# KiCad board granola-summit-abc.kicad_pcb
title: Granola Summit PCB; rev: 2.0; company: Granola Arcade
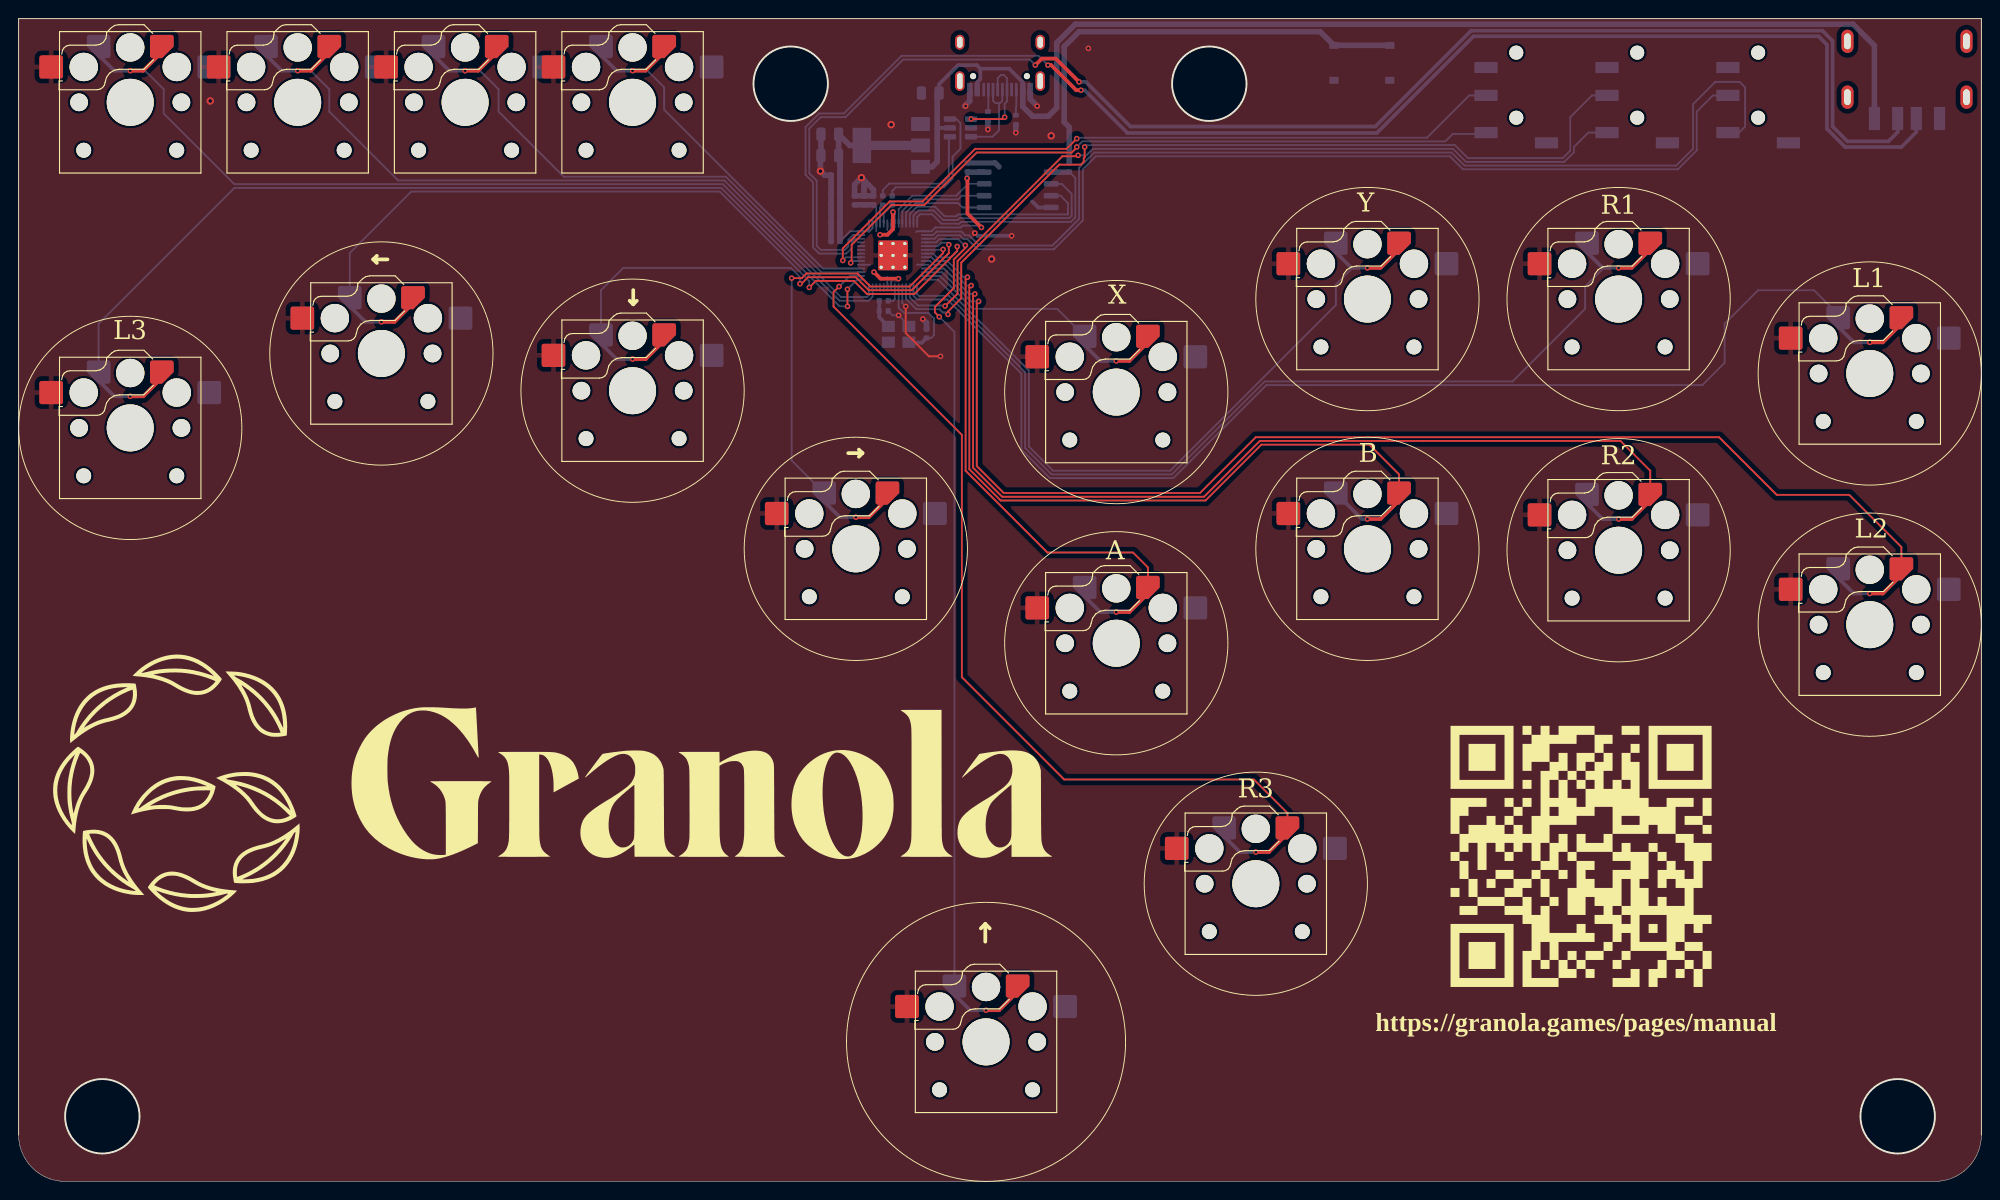
[diagram p0: board, top side]
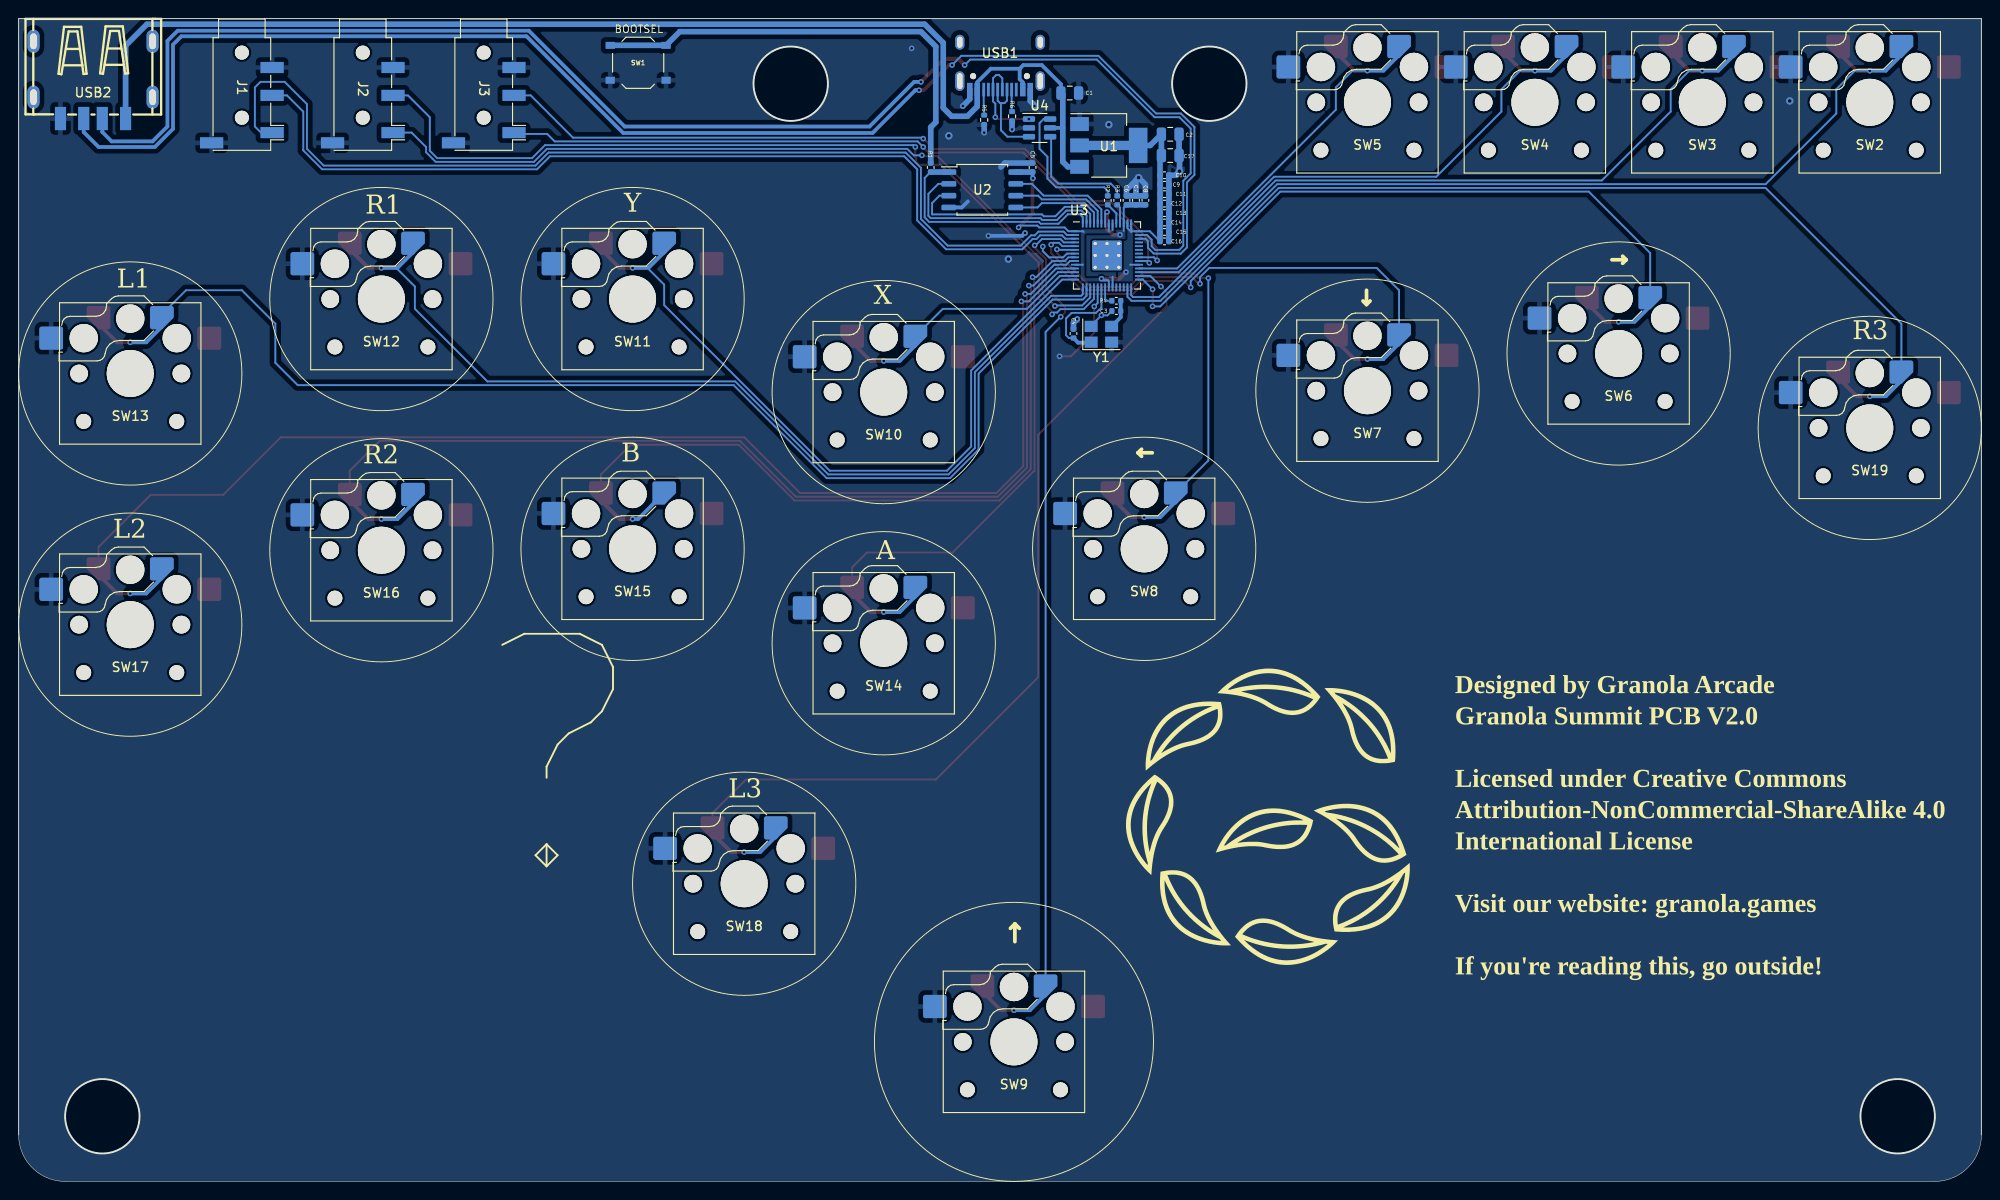
[diagram p1: board, bottom side, seen from below]

Outline 211 x 125 mm; copper layers: Top, Bottom. Coordinates in mm from the lower left corner of the outline.
Outline path: circle c9,7 r4 ; circle c83,118 r4 ; circle c128,118 r4 ; circle c202,7 r4 ; 0,125 211,125 211,5 arc(209.54,1.46) 206,0 5,0 arc(1.46,1.46) 0,5 0,125
Stack: Top 0.035mm / dielectric 1.51mm FR4 er 4.5 / Bottom 0.035mm

## Placement (name value [footprint] x y rotation side)
C1  10u  [C_0805_2012Metric]  98 117 180 bottom
C2  10u  [C_0805_2012Metric]  87.2 112.56 180 bottom
C3  27p  [C_0402_1005Metric]  93 93.56 0 bottom
C4  27p  [C_0402_1005Metric]  97.6 91.14 90 bottom
C5  100n  [C_0402_1005Metric]  102 109 90 bottom
C6  100n  [C_0402_1005Metric]  91.9 105.47 90 bottom
C7  100n  [C_0402_1005Metric]  90.88 105.47 90 bottom
C8  1u  [C_0402_1005Metric]  89.87 105.47 90 bottom
C9  100n  [C_0402_1005Metric]  87.82 107.15 180 bottom
C10  1u  [C_0402_1005Metric]  87.82 108.16 180 bottom
C11  100n  [C_0402_1005Metric]  87.82 106.13 180 bottom
C12  100n  [C_0402_1005Metric]  87.82 105.11 180 bottom
C13  100n  [C_0402_1005Metric]  87.82 104.1 180 bottom
C14  100n  [C_0402_1005Metric]  87.82 103.08 180 bottom
C15  100n  [C_0402_1005Metric]  87.82 102.06 180 bottom
C16  100n  [C_0402_1005Metric]  87.82 101.05 180 bottom
C17  10u  [C_0805_2012Metric]  87.2 110.28 180 bottom
G***  -  [LOGO]  167.95 34.95 0 top
G***#2  -  [LOGO]  57.4 42.8 0 top
G***#3  -  [LOGO]  76.7 39.2 180 bottom
J1  AudioJack3  [Jack_3.5mm_PJ320D_Horizontal]  187 116.57 270 bottom
J2  AudioJack3  [Jack_3.5mm_PJ320D_Horizontal]  174 116.57 270 bottom
J3  AudioJack3  [Jack_3.5mm_PJ320D_Horizontal]  161 116.57 270 bottom
NOREF  -  [unnamed]  94 99.55 180 bottom
R1  1k  [C_0402_1005Metric]  112.95 109 90 bottom
R2  27  [C_0402_1005Metric]  93.92 105.47 270 bottom
R3  27  [C_0402_1005Metric]  92.9 105.47 270 bottom
R4  1k  [C_0402_1005Metric]  93 94.66 180 bottom
R5  5.1k  [R_0402_1005Metric]  107.2 114.11 270 bottom
R6  5.1k  [R_0402_1005Metric]  104.2 114.5 270 bottom
SW1  TS-1187A-B-A-B  [SW_Push_1P1T_XKB_TS-1187A]  144.4 120.25 180 bottom
SW2  MX_Switch  [SW_Hotswap_Kailh_Choc_V1V2_1.00u_reversible]  12 116 180 bottom
SW3  MX_Switch  [SW_Hotswap_Kailh_Choc_V1V2_1.00u_reversible]  30 116 180 bottom
SW4  MX_Switch  [SW_Hotswap_Kailh_Choc_V1V2_1.00u_reversible]  48 116 180 bottom
SW5  MX_Switch  [SW_Hotswap_Kailh_Choc_V1V2_1.00u_reversible]  66 116 180 bottom
SW6  MX_Switch  [SW_Hotswap_Kailh_Choc_V1V2_1.00u_24mm_reversible]  39 89 180 bottom
SW7  MX_Switch  [SW_Hotswap_Kailh_Choc_V1V2_1.00u_24mm_reversible]  66 85 180 bottom
SW8  MX_Switch  [SW_Hotswap_Kailh_Choc_V1V2_1.00u_24mm_reversible]  90 68 180 bottom
SW9  MX_Switch  [SW_Hotswap_Kailh_Choc_V1V2_1.00u_30mm_reversible]  104 15 180 bottom
SW10  MX_Switch  [SW_Hotswap_Kailh_Choc_V1V2_1.00u_24mm_reversible]  118 84.85 180 bottom
SW11  MX_Switch  [SW_Hotswap_Kailh_Choc_V1V2_1.00u_24mm_reversible]  145 94.85 180 bottom
SW12  MX_Switch  [SW_Hotswap_Kailh_Choc_V1V2_1.00u_24mm_reversible]  172 94.85 180 bottom
SW13  MX_Switch  [SW_Hotswap_Kailh_Choc_V1V2_1.00u_24mm_reversible]  199 86.85 180 bottom
SW14  MX_Switch  [SW_Hotswap_Kailh_Choc_V1V2_1.00u_24mm_reversible]  118 57.85 180 bottom
SW15  MX_Switch  [SW_Hotswap_Kailh_Choc_V1V2_1.00u_24mm_reversible]  145 68 180 bottom
SW16  MX_Switch  [SW_Hotswap_Kailh_Choc_V1V2_1.00u_24mm_reversible]  172 67.85 180 bottom
SW17  MX_Switch  [SW_Hotswap_Kailh_Choc_V1V2_1.00u_24mm_reversible]  199 59.85 180 bottom
SW18  MX_Switch  [SW_Hotswap_Kailh_Choc_V1V2_1.00u_24mm_reversible]  133 32 180 bottom
SW19  MX_Switch  [SW_Hotswap_Kailh_Choc_V1V2_1.00u_24mm_reversible]  12 81 180 bottom
U1  AMS1117-3.3_SOT223  [SOT-223-3_TabPin2]  93.8 111.37 180 bottom
U2  W25Q128JVS  [SOIC-8_5.23x5.23mm_P1.27mm]  107.4 106.6 180 bottom
U3  RP2040  [RP2040-QFN-56]  94 99.54 180 bottom
U4  USBLC6-2SC6  [SOT-23-6]  101.25 113.25 180 bottom
USB1  HRO-TYPE-C-31-M-12  [HRO-TYPE-C-31-M-12-Assembly]  105.5 125.06 0 bottom
USB2  USB_A  [USB-A-SMD_C42591]  203 118.41 0 bottom
Y1  ABLS-12.000MHZ-B4-T  [Crystal_SMD_3225-4Pin_3.2x2.5mm]  94.6 91.06 180 bottom

## Library data of the parts
C1 C2 C17 = -: Description: Unpolarized capacitor; LCSC: C83061
C3 C4 = -: Description: Unpolarized capacitor; LCSC: C147436
C5-C7 C9 C11-C16 = -: Description: Unpolarized capacitor; LCSC: C115671
C8 C10 = -: Description: Unpolarized capacitor; LCSC: C5137485
J1-J3 = -: Description: Audio Jack, 4 Poles (TRRS)
R1 R4 = -: Description: Resistor; LCSC: C105637
R2 R3 = -: Description: Resistor; LCSC: C2909343
R5 R6 = -: Description: Resistor, small symbol; LCSC: C25905
SW1 = -: Description: Push button switch, generic, two pins; LCSC: C318884
SW2-SW19 = -: Description: MEC 5G single pole normally-open tactile switch
U1 = -: Description: 1A Low drop-out regulator, Fixed Output 3.3V, SOT-223; LCSC: C5250992
U2 = -: Description: 128Mb Serial Flash Memory, Standard/Dual/Quad SPI, SOIC-8; LCSC: C97521
U3 = -: LCSC: C2040
U4 = -: Description: Very low capacitance ESD protection diode, 2 data-line, SOT-23-6
USB1 = -: LCSC: C165948
USB2 = -: Description: USB Type A connector; LCSC: C42591
Y1 = -: Description: Four pin crystal, GND on pins 2 and 3; LCSC: C9002

## Footprints (pads in the part's own frame, mm; a bottom-side part is the same pattern mirrored in y, then rotated)
C_0402_1005Metric
  rrect 0.56x0.62 smd: 1(-0.48,0) 2(0.48,0)
C_0805_2012Metric
  rrect 1x1.45 smd: 1(-0.95,0) 2(0.95,0)
Crystal_SMD_3225-4Pin_3.2x2.5mm
  rect 1.4x1.2 smd: 1(-1.1,-0.85) 2(1.1,-0.85) 3(1.1,0.85) 4(-1.1,0.85)
HRO-TYPE-C-31-M-12-Assembly
  oval 1x1.6 hole 0.6x1.2: (-4.32,2.6) (4.32,2.6)
  oval 1x2.1 hole 0.6x1.7: (-4.32,6.78) (4.32,6.78)
  round 0.65 hole 0.65 unplated: (-2.89,6.25) (2.89,6.25)
  rect 0.6x1.45 smd: 1(-3.25,7.695) 2(-2.45,7.695) 11(2.45,7.695) 12(3.25,7.695)
  rect 0.3x1.45 smd: 3(-1.75,7.695) 4(-1.25,7.695) 5(-0.75,7.695) 6(-0.25,7.695) 7(0.25,7.695) 8(0.75,7.695) 9(1.25,7.695) 10(1.75,7.695)
Jack_3.5mm_PJ320D_Horizontal
  round 1.5 hole 1.5 unplated: (-4.775,0) (2.225,0)
  rect 1.2x2.5 smd: R1(-0.175,3.25) R2(-3.175,3.25) S(4.925,-3.25) T(3.825,3.25)
R_0402_1005Metric
  rrect 0.54x0.64 smd: 1(-0.51,0) 2(0.51,0)
RP2040-QFN-56
  rrect 1.084x1.084 smd: (-0.637,-0.637) (-0.637,0.637) (0.637,-0.637) (0.637,0.637)
  rrect 0.875x0.2 smd: 1(-3.438,2.6) 2(-3.438,2.2) 3(-3.438,1.8) 4(-3.438,1.4) 5(-3.438,1) 6(-3.438,0.6) 7(-3.438,0.2) 8(-3.438,-0.2) 9(-3.438,-0.6) 10(-3.438,-1) 11(-3.438,-1.4) 12(-3.438,-1.8) 13(-3.438,-2.2) 14(-3.438,-2.6) 29(3.438,-2.6) 30(3.438,-2.2) 31(3.438,-1.8) 32(3.438,-1.4) 33(3.438,-1) 34(3.438,-0.6) 35(3.438,-0.2) 36(3.438,0.2) 37(3.438,0.6) 38(3.438,1) 39(3.438,1.4) 40(3.438,1.8) 41(3.438,2.2) 42(3.438,2.6)
  rrect 0.2x0.875 smd: 15(-2.6,-3.438) 16(-2.2,-3.438) 17(-1.8,-3.438) 18(-1.4,-3.438) 19(-1,-3.438) 20(-0.6,-3.438) 21(-0.2,-3.438) 22(0.2,-3.438) 23(0.6,-3.438) 24(1,-3.438) 25(1.4,-3.438) 26(1.8,-3.438) 27(2.2,-3.438) 28(2.6,-3.438) 43(2.6,3.438) 44(2.2,3.438) 45(1.8,3.438) 46(1.4,3.438) 47(1,3.438) 48(0.6,3.438) 49(0.2,3.438) 50(-0.2,3.438) 51(-0.6,3.438) 52(-1,3.438) 53(-1.4,3.438) 54(-1.8,3.438) 55(-2.2,3.438) 56(-2.6,3.438)
  round 0.6 hole 0.35: 57(-1.275,-1.275) 57(-1.275,0) 57(-1.275,1.275) 57(0,-1.275) 57(0,0) 57(0,1.275) 57(1.275,-1.275) 57(1.275,0) 57(1.275,1.275)
  rrect 3.2x3.2 smd: 57(0,0)
SOIC-8_5.23x5.23mm_P1.27mm
  rrect 1.6x0.6 smd: 1(-3.6,1.905) 2(-3.6,0.635) 3(-3.6,-0.635) 4(-3.6,-1.905) 5(3.6,-1.905) 6(3.6,-0.635) 7(3.6,0.635) 8(3.6,1.905)
SOT-23-6
  rrect 1.325x0.6 smd: 1(-1.137,0.95) 2(-1.137,0) 3(-1.137,-0.95) 4(1.137,-0.95) 5(1.137,0) 6(1.137,0.95)
SOT-223-3_TabPin2
  rect 2x1.5 smd: 1(-3.15,2.3) 2(-3.15,0) 3(-3.15,-2.3)
  rect 2x3.8 smd: 2(3.15,0)
SW_Hotswap_Kailh_Choc_V1V2_1.00u_24mm_reversible
  round 1.9 hole 1.9 unplated: (-5.5,0) (5.5,0)
  round 1.6 hole 1.6 unplated: (-5,-5.15) (5,-5.15)
  round 3.05 hole 3.05 unplated: (-5,3.8) (0,5.9) (5,3.8)
  round 5.05 hole 5.05 unplated: (0,0)
  rrect 2.55x2.5 smd far side: 1(-3.4,6) 2(8.5,3.8)
  rrect 2.55x2.5 smd: 1(3.4,6) 2(-8.5,3.8)
SW_Hotswap_Kailh_Choc_V1V2_1.00u_30mm_reversible
  round 1.9 hole 1.9 unplated: (-5.5,0) (5.5,0)
  round 1.6 hole 1.6 unplated: (-5,-5.15) (5,-5.15)
  round 3.05 hole 3.05 unplated: (-5,3.8) (0,5.9) (5,3.8)
  round 5.05 hole 5.05 unplated: (0,0)
  rrect 2.55x2.5 smd far side: 1(-3.4,6) 2(8.5,3.8)
  rrect 2.55x2.5 smd: 1(3.4,6) 2(-8.5,3.8)
SW_Hotswap_Kailh_Choc_V1V2_1.00u_reversible
  round 1.9 hole 1.9 unplated: (-5.5,0) (5.5,0)
  round 1.6 hole 1.6 unplated: (-5,-5.15) (5,-5.15)
  round 3.05 hole 3.05 unplated: (-5,3.8) (0,5.9) (5,3.8)
  round 5.05 hole 5.05 unplated: (0,0)
  rrect 2.55x2.5 smd far side: 1(-3.4,6) 2(8.5,3.8)
  rrect 2.55x2.5 smd: 1(3.4,6) 2(-8.5,3.8)
SW_Push_1P1T_XKB_TS-1187A
  rect 1x0.75 smd: 1(-3,1.875) 1(3,1.875) 2(-3,-1.875) 2(3,-1.875)
unnamed
  rrect 3.2x3.2 smd far side: 57(0,0)
USB-A-SMD_C42591
  rect 1.2x2.5 smd: 1(-3.5,4.15) 2(-1,4.15) 3(1,4.15) 4(3.5,4.15)
  oval 1.3x2.5 hole 0.7x1.7: 5(6.4,1.85) 6(6.4,-4.15) 7(-6.4,1.85) 8(-6.4,-4.15)

## Nets
+1V1: C6.1 C7.1 C8.1 U3.23 U3.45 U3.50
+3V3: C2.1 C5.1 C9.1 C10.1 C11.1 C12.1 C13.1 C14.1 C15.1 C16.1 C17.1 U1.2 U2.8 U3.1 U3.10 U3.22 U3.33 U3.42 U3.43 U3.44 U3.48 U3.49
GND: C1.2 C2.2 C3.2 C4.2 C5.2 C6.2 C7.2 C8.2 C9.2 C10.2 C11.2 C12.2 C13.2 C14.2 C15.2 C16.2 C17.2 J1.R2 J1.S J2.R2 J2.S J3.R2 J3.S NOREF.57 R5.2 R6.2 SW1.2 SW2.2 SW3.2 SW4.2 SW5.2 SW6.2 SW7.2 SW8.2 SW9.2 SW10.2 SW11.2 SW12.2 SW13.2 SW14.2 SW15.2 SW16.2 SW17.2 SW18.2 SW19.2 U1.1 U2.4 U3.19 U3.57 U4.2 USB1.1 USB1.12 USB2.4 Y1.2 Y1.4
VBUS: C1.1 U1.3 U4.5 USB1.2 USB1.11 USB2.1
/1K: SW14.1 U3.8
/1P: SW10.1 U3.13
/2K: SW15.1 U3.9
/2P: SW11.1 U3.14
/3K: SW16.1 U3.11
/3P: SW12.1 U3.15
/4K: SW17.1 U3.12
/4P: SW13.1 U3.16
/A1: SW4.1 U3.31
/A2: SW5.1 U3.32
/AC1: J1.T U3.2
/AC2: J1.R1 U3.3
/AC3: J2.T U3.17
/AC4: J2.R1 U3.18
/AC5: J3.T U3.34
/AC6: J3.R1 U3.35
/D+: R2.1 U4.6
/D-: R3.1 U4.4
/DOWN: SW7.1 U3.5
/GPIO24: U3.36
/GPIO25: U3.37
/GPIO26_ADC0: U3.38
/GPIO27_ADC1: U3.39
/L3: SW19.1 U3.29
/LEFT: SW6.1 U3.7
/PASSTHRU_D+: U3.40 USB2.3
/PASSTHRU_D-: U3.41 USB2.2
/QSPI_SCLK: U2.6 U3.52
/QSPI_SD0: U2.5 U3.53
/QSPI_SD1: U2.2 U3.55
/QSPI_SD2: U2.3 U3.54
/QSPI_SD3: U2.7 U3.51
/QSPI_SS: R1.1 U2.1 U3.56
/R3: SW18.1 U3.30
/RIGHT: SW8.1 U3.6
/RUN: U3.26
/S1: SW2.1 U3.27
/S2: SW3.1 U3.28
/SWCLK: U3.24
/SWD: U3.25
/UP: SW9.1 U3.4
/USB_D+: U4.1 USB1.6 USB1.8
/USB_D-: U4.3 USB1.5 USB1.7
/XIN: C4.1 U3.20 Y1.1
/XOUT: R4.1 U3.21
/~{USB_BOOT}: R1.2 SW1.1
Net-(C3-Pad1): C3.1 R4.2 Y1.3
Net-(U3-USB_DM): R3.2 U3.46
Net-(U3-USB_DP): R2.2 U3.47
Net-(USB1-CC1): R6.1 USB1.4
Net-(USB1-CC2): R5.1 USB1.10

Pads without a net: USB1 3 9; USB2 5 6 7 8

## Via types
v1: diameter 0.8, hole 0.4, Top to Bottom, 6 vias
v2: diameter 0.6, hole 0.3, Top to Bottom, 64 vias

## Routing (per net, layer and track width the routed paths; a pad name or vN(x,y) marks a point on that pad's centre or on a via; arc(x,y) is an arc through that point)
+1V1: length 11.2
  Top w0.4: v2(94,104.21) 94,102.36 93.4,101.77 v2(92.6,101.77)
  Bottom w0.2: U3.23 93.4,97.27 ; 92.2,102.16 U3.45 92.2,104.69 91.9,104.98 ; 91.05,104.82 90.88,104.98 ; U3.50 94.2,104 v2(94,104.21)
  Bottom w0.6: 91.9,104.98 89.87,104.98
+3V3: length 51.7
  Top w0.4: v2(101.96,107.82) 102,107.78 102,104.05 v2(103.5,102.55) ; v2(91.95,97.75) 92.66,97.04 v2(94.59,97.04)
  Bottom w0.2: U3.10 96.62,98.54 96.6,98.56 ; v2(94.59,97.04) 94.42,96.87 ; 94.42,96.87 94.1,96.87 ; 94.42,96.87 93.9,96.87 93.8,96.77 U3.22 ; U3.43 91.4,102.06 91.8,102.47 U3.44 91.8,103.16 ; U3.43 91.4,103.16 ; U3.43 91.4,102.16 91.38,102.14 U3.42 89.39,102.14 C16.1 88.43,100.92 ; 96.5,102.06 96.57,102.14 U3.1 98.14,102.14 98.55,102.55 101.29,102.55 101.49,102.75 103.3,102.75 v2(103.5,102.55) ; U3.33 91.47,98.54 91.5,98.56 ; U3.48 93.4,102.27 ; U3.49 93.8,102.16
  Bottom w0.4: C5.1 102,107.87 v2(101.96,107.82)
  Bottom w0.6: U2.8 102.01,108.5 C5.1 ; C16.1 C10.1 88.3,110.13 C17.1 C2.1 89.35,111.37 U1.2
  Bottom w1: U1.2 U1.2
GND: length 51.8
  Top w0.2: v2(95.36,94.06) 95.36,91.2 97.88,88.68 97.9,88.7 v2(99.1,88.7)
  Top w0.4: v2(102.8,101.95) 102.8,101.85 102.7,101.95 v2(102.8,101.95)
  Bottom w0.2: 95.7,91.92 95.7,92 v2(94.6,93.1) 93.94,93.1 C3.2 ; U3.19 95,94.42 v2(95.36,94.06)
  Bottom w0.4: 108.95,105.35 109.6,104.69 U2.4 ; 106.7,101.65 v2(106.75,101.65) 103.1,101.65 v2(102.8,101.95)
  Bottom w0.6: v2(97.2,92.7) 97.6,92.3 C4.2 ; USB1.1 102.25,116.15 101.8,115.7 v2(101.8,115.6) 101.7,115.6 101.85,115.75 ; v2(107.2,112.74) R5.2 ; C7.2 C6.2 91.9,106.6 v1(90.6,107.9) ; C7.2 C8.2 89.87,107.17 v1(90.6,107.9) ; C7.2 90.88,107.62 v1(90.6,107.9) ; 105.4,109.05 104.97,109.48 C5.2 ; USB1.12 108.75,116.35 v2(109.5,115.6) ; C16.2 C15.2 C14.2 C13.2 C12.2 C11.2 C9.2 C10.2 86.64,108.16 v1(86.2,108.6) 86.2,110.23 C17.2 C2.2 ; v2(104.2,113.08) R6.2
  vias: v1(20.6,116.15) v1(93.8,113.6) v1(104.6,99.15) v1(111,112.4) v2(115,121.8)
VBUS: length 136.4
  Bottom w0.4: 103.38,119.62 103,120 101,120 98.95,117.95 C1.1 ; 103.38,119.62 103.38,118.49 103.05,118.16 USB1.2 ; 103.38,119.62 106.49,119.62 107.95,118.16 USB1.11 ; U4.5 98.75,113.25
  Bottom w0.6: C1.1 98.75,116.8 98.75,109.62 98.2,109.06 96.95,109.06 ; 107.95,117.38 107.95,115.55 109,114.5 110.7,114.5 111.6,115.4 111.6,122.4 113.6,124.4 197.2,124.4 199.5,122.1 USB2.1
/1K: length 60.7
  Top w0.2: v2(102,97.2) 101.8,97 101.8,76.4 110.6,67.6 119.8,67.6 121.4,66 SW14.1
  Top w0.4: 121.4,63.2 119.4,61.2 v2(118,61.2)
  Bottom w0.2: U3.8 98.14,99.34 98.54,98.94 99.86,98.94 101.6,97.2 v2(102,97.2)
  Bottom w0.4: v2(118,61.2) 116.28,61.2 114.6,62.88
/1P: length 28.2
  Top w0.4: 121.4,90.2 119.4,88.2 v2(118,88.2)
  Bottom w0.2: SW10.1 111.65,93.8 102.6,93.8 99.06,97.34 U3.13
  Bottom w0.4: 114.6,89.88 116.28,88.2 v2(118,88.2)
/2K: length 88.1
  Top w0.2: SW15.1 148.4,76 145.2,79.2 133.6,79.2 127.6,73.2 105.57,73.2 102.2,76.57 102.2,96.1 v2(102.4,96.3)
  Top w0.4: 148.4,73.2 146.4,71.2 v2(145,71.2)
  Bottom w0.2: U3.9 97.97,98.94 98.37,98.54 99.66,98.54 101.9,96.3 v2(102.4,96.3)
  Bottom w0.4: SW15.1 144.4,71.2 v2(145,71.2)
/2P: length 79.5
  Top w0.4: 148.4,100.2 146.4,98.2 v2(145,98.2)
  Bottom w0.2: v2(145,98.2) 143.4,98.2 141.6,96.4 141.6,94.2 123.8,76.4 111.2,76.4 108.6,79 108.6,87.17 98.83,96.94 U3.14
  Bottom w0.4: v2(145,98.2) 143.28,98.2 141.6,99.88
/3K: length 114
  Top w0.2: v2(102.8,95.4) 102.6,95.2 102.6,76.73 105.73,73.6 127.43,73.6 133.43,79.6 172.2,79.6 175.4,76.4 SW16.1
  Top w0.4: v2(172,71.2) 173.4,71.2 175.4,73.2
  Bottom w0.2: v2(102.8,95.4) 102.2,95.4 99.46,98.14 U3.11
  Bottom w0.4: v2(172,71.2) 170.28,71.2 168.6,72.88
/3P: length 107.9
  Top w0.4: 175.4,100.2 173.4,98.2 v2(172,98.2)
  Bottom w0.2: v2(172,98.2) 170.4,98.2 168.4,96.2 168.4,93.8 160.6,86 133.97,86 123.97,76 111.03,76 108.2,78.83 108.2,87 100,95.2 96.76,95.2 96.6,95.37 U3.15
  Bottom w0.4: 168.6,99.88 170.28,98.2 v2(172,98.2)
/4K: length 143.5
  Top w0.2: SW17.1 202.4,68.2 196.8,73.8 189,73.8 182.8,80 133,80 127,74 105.9,74 103,76.9 103,94.4 v2(103.2,94.6)
  Top w0.4: 202.4,65.2 200.4,63.2 v2(199,63.2)
  Bottom w0.2: v2(103.2,94.6) 102.4,94.6 99.26,97.74 U3.12
  Bottom w0.4: v2(199,63.2) 197.28,63.2 195.6,64.88
/4P: length 133.8
  Top w0.4: v2(199,90.2) 200.4,90.2 202.4,92.2
  Bottom w0.2: U3.16 96.2,95.2 96.6,94.8 99.83,94.8 107.8,86.83 107.8,78.67 110.87,75.6 124.13,75.6 134.13,85.6 181,85.6 183.4,88 183.4,92.2 187,95.8 193,95.8 195.6,93.2 SW13.1
  Bottom w0.4: 195.6,91.88 197.28,90.2 v2(199,90.2)
/A1: length 61.3
  Top w0.4: v2(48,119.4) 49.4,119.4 51.4,121.4
  Bottom w0.2: U3.31 86.29,97.74 76.03,108 58.6,108 51.6,115 51.6,117.4 49.6,119.4 v2(48,119.4)
  Bottom w0.4: 44.6,121.08 46.28,119.4 v2(48,119.4)
/A2: length 44.6
  Top w0.2: SW5.1 69.4,121.4
  Top w0.4: 69.4,121.4 67.4,119.4 v2(66,119.4)
  Bottom w0.2: SW5.1 62.6,121.08 ; v2(66,119.4) 67.6,119.4 69.4,117.6 69.4,115.2 86.46,98.14 U3.32
  Bottom w0.4: 62.6,121.08 64.28,119.4 v2(66,119.4)
/AC1: length 110
  Bottom w0.2: U3.2 98.31,101.74 98.67,102.1 101.35,102.1 101.75,101.7 102.17,101.7 103.27,100.6 111.13,100.6 114,103.47 114,108.97 115.63,110.6 154.03,110.6 155.43,109.2 178.2,109.2 180,111 180,115.8 182.4,118.2 185,118.2 185.6,117.6 185.6,113.4 184.94,112.74 J1.T
/AC2: length 100.8
  Bottom w0.2: U3.3 98.47,101.34 98.83,101.7 101.19,101.7 101.59,101.3 102,101.3 103.1,100.2 111.3,100.2 114.4,103.3 114.4,108.8 115.8,110.2 153.87,110.2 155.27,108.8 178.37,108.8 180.4,110.83 180.4,115 182.14,116.74 J1.R1
/AC3: length 87.7
  Top w0.2: v2(99.6,94.1) 100.93,95.43 100.93,98.93 112.2,110.2 113.8,110.2 v2(113.9,110.3)
  Bottom w0.2: U3.17 95.8,95.03 96.67,94.16 99.53,94.16 v2(99.6,94.1) ; v2(113.9,110.3) 114.77,110.3 115.47,111 154.2,111 155.6,109.6 166.17,109.6 167.2,110.63 167.2,111.2 168.74,112.74 J2.T
/AC4: length 93.6
  Top w0.2: v2(114.6,111.2) 114.6,110.11 114.5,110.01 114.5,109.59 114.21,109.3 111.87,109.3 101.33,98.77 101.33,94.93 99.9,93.5 v2(99.9,93.2)
  Bottom w0.2: v2(114.6,111.2) 114.8,111.4 154.4,111.4 155.8,110 166,110 166.8,110.8 166.8,114.4 169.14,116.74 J2.R1 ; v2(99.9,93.2) 99.7,93.4 99.37,93.4 99,93.77 96.5,93.77 95.4,94.87 U3.18
/AC5: length 76.4
  Top w0.2: v2(113.75,111.2) 113.75,111.15 113.2,110.6 103,110.6 100.6,108.2 100.6,108.2 97.35,104.95 93.82,104.95 89.55,100.68 89.55,98.84 v2(89.45,98.74)
  Bottom w0.2: J3.T 157.61,112.6 154.17,112.6 153.37,111.8 114.35,111.8 v2(113.75,111.2) ; v2(89.45,98.74) 89.65,98.94 U3.34
/AC6: length 79.4
  Top w0.2: v2(113.75,112.1) 112.65,111 102.83,111 97.18,105.35 93.65,105.35 88.6,100.3 v2(88.6,99)
  Bottom w0.2: U3.35 88.94,99.34 v2(88.6,99) ; v2(113.75,112.1) 113.85,112.2 151.4,112.2 155.94,116.74 J3.R1
/D+: length 15.2
  Bottom w0.2: U4.6 100.82,114.2 101.25,113.77 101.25,111 100.4,110.15 100.4,107.8 99.47,106.87 94.3,106.87 93.92,106.48 R2.1
/D-: length 12.7
  Bottom w0.2: R3.1 92.9,106.56 93.6,107.27 99.26,107.27 100,108 100,112.19 U4.4
/DOWN: length 58.9
  Top w0.2: v2(100,100.7) 100,99.8 96,95.8 91.4,95.8 90,97.2 84.86,97.2 84.16,96.5 v2(84,96.5)
  Top w0.4: 69.4,90.4 67.4,88.4 v2(66,88.4)
  Bottom w0.2: v2(84,96.5) 84,97.21 83.01,98.2 65,98.2 62.6,95.8 SW7.1 ; v2(100,100.7) 99.8,100.9 99.16,100.9 98.8,100.54 U3.5
  Bottom w0.4: 62.6,90.08 64.28,88.4 v2(66,88.4)
/L3: length 109.1
  Top w0.2: v2(89.1,95.9) 89.1,94.07 v2(89.11,94.06)
  Top w0.4: 15.4,86.4 13.4,84.4 v2(12,84.4)
  Bottom w0.2: U3.29 90.14,96.94 v2(89.1,95.9) ; v2(89.11,94.06) 88.27,94.06 75.54,106.8 23.2,106.8 8.6,92.2 SW19.1
  Bottom w0.4: v2(12,84.4) 10.28,84.4 8.6,86.08
/LEFT: length 93.5
  Top w0.2: v2(85,96.1) 85.7,96.8 89.8,96.8 91.2,95.4 96.3,95.4 100.13,99.23 100.13,99.27 100.9,100.03 v2(100.9,100.5)
  Top w0.4: v2(39,92.4) 40.4,92.4 42.4,94.4
  Bottom w0.2: v2(100.9,100.5) 100.9,100 100.24,99.34 98.7,99.34 98.3,99.74 U3.7 ; SW6.1 35.6,99.8 42.2,106.4 75.37,106.4 85,96.77 v2(85,96.1)
  Bottom w0.4: v2(39,92.4) 37.28,92.4 35.6,94.08
/PASSTHRU_D+: length 162.5
  Top w0.4: v2(110.65,120) 111,120 113.7,117.3 v2(114.2,117.3)
  Bottom w0.2: U3.40 89.88,101.34 89.6,101.06 89.6,100.37 88.97,99.74 86.06,99.74 85.4,100.4 85.4,107.4 84.6,108.2 84.6,113.35 86.05,114.8 88.72,114.8 94.92,121 109.65,121 v2(110.65,120)
  Bottom w0.4: v2(114.2,117.3) 114.6,117.3 119.2,112.7 146,112.7 156.4,123.1 193.5,123.1 194.4,122.2 194.4,113.15 196.35,111.2 202.4,111.2 204,112.8 USB2.3
/PASSTHRU_D-: length 159.1
  Top w0.4: v2(109.3,120) 110,120.7 111.5,120.7 v2(114,118.2)
  Bottom w0.2: v2(109.3,120) 108.7,120.6 95.08,120.6 88.88,114.4 86.22,114.4 85,113.18 85,108.37 85.8,107.56 85.8,100.56 86.22,100.14 88.81,100.14 89.2,100.53 89.2,101.23 89.71,101.74 U3.41
  Bottom w0.4: USB2.2 202,112.8 201,111.8 196.6,111.8 195,113.4 195,122.6 193.9,123.7 156.15,123.7 145.85,113.4 119.52,113.4 114.72,118.2 v2(114,118.2)
/QSPI_SCLK: length 10.8
  Bottom w0.2: U3.52 95,104.33 96.24,105.56 101,105.56 101.4,105.97 U2.6
/QSPI_SD0: length 10.2
  Bottom w0.2: U3.53 95.4,104.16 96.4,105.16 101,105.16 101.47,104.69 U2.5
/QSPI_SD1: length 23.7
  Bottom w0.2: U3.55 96.2,103.83 96.73,104.37 98.37,104.37 99.38,103.35 100.96,103.35 101.16,103.55 112.95,103.55 113.2,103.8 113.2,106.16 112.13,107.23 U2.2
/QSPI_SD2: length 22.2
  Bottom w0.2: U2.3 112,105.97 112.8,105.16 112.8,103.97 112.78,103.95 100.99,103.95 100.79,103.75 99.55,103.75 98.53,104.76 96.57,104.77 95.8,104 U3.54
/QSPI_SD3: length 11.9
  Bottom w0.2: U3.51 94.6,104.49 96.07,105.97 100.8,105.97 102.07,107.23 U2.7
/QSPI_SS: length 25.6
  Bottom w0.2: R1.1 113.6,107.87 113.6,103.63 113.12,103.15 101.32,103.15 101.12,102.95 99.22,102.95 98.2,103.97 96.9,103.97 96.6,103.66 U3.56
  Bottom w0.6: U2.1 112.88,108.5
/R3: length 101.8
  Top w0.2: SW18.1 136.4,39.6 132.8,43.2 112.4,43.2 101.4,54.2 101.4,80.25 87.6,94.05 87.6,95.6 v2(88.2,96.2)
  Top w0.4: 136.4,37.4 134.4,35.4 v2(133,35.4)
  Bottom w0.2: v2(88.2,96.2) 89.34,97.34 U3.30
  Bottom w0.4: 129.6,37.08 131.28,35.4 v2(133,35.4)
/RIGHT: length 53.8
  Top w0.2: 99.39,100.19 v2(99.39,100.19) 99.39,99.79 95.8,96.2 91.57,96.2 90.17,97.6 84.69,97.6 84.19,97.1 v2(83.1,97.1)
  Top w0.4: v2(90,71.4) 91.4,71.4 93.4,73.4
  Bottom w0.2: v2(83.1,97.1) 83.1,77.5 SW8.1 ; v2(99.39,100.19) 99.34,100.14 U3.6
  Bottom w0.4: v2(90,71.4) 88.28,71.4 86.6,73.08
/S1: length 101.1
  Top w0.4: 15.4,121.4 13.4,119.4 v2(12,119.4)
  Bottom w0.2: v2(12,119.4) 13.6,119.4 15.6,117.4 15.6,114.8 23.2,107.2 75.7,107.2 88.24,94.66 91.37,94.66 91.8,95.1 U3.27
  Bottom w0.4: v2(12,119.4) 10.28,119.4 8.6,121.08
/S2: length 82.1
  Top w0.4: v2(30,119.4) 31.4,119.4 33.4,121.4
  Bottom w0.2: U3.28 91.4,95.27 91.2,95.06 88.4,95.06 75.87,107.6 40.8,107.6 33.4,115 33.4,117.4 31.4,119.4 v2(30,119.4)
  Bottom w0.4: v2(30,119.4) 28.28,119.4 26.6,121.08
/UP: length 94.9
  Top w0.2: v2(101.78,100.62) 101.78,100.34 100.53,99.1 100.53,96.03 98.5,94 98.5,93.42 v2(98.97,92.95)
  Top w0.4: v2(104,18.4) 105.4,18.4 107.4,20.4
  Bottom w0.2: U3.4 98.64,100.94 99,101.3 101,101.3 101.68,100.62 v2(101.78,100.62) ; v2(98.97,92.95) 100.6,91.32 SW9.1
  Bottom w0.4: v2(104,18.4) 102.28,18.4 100.6,20.08
/USB_D+: length 10.4
  Top w0.2: v2(102.4,114.2) 105.8,114.2 v2(106,114.4)
  Bottom w0.2: USB1.8 106.25,116.1 106,115.85 v2(106,114.4) ; 106.25,117.41 106.25,118.59 105.9,118.94 105.6,118.94 105.25,118.59 105.25,117.41
/USB_D-: length 9.8
  Bottom w0.2: 105.75,117.38 105.75,116.17 105.5,115.92 105.4,115.92 ; 104.75,117.38 104.75,116.18 105.02,115.92 105.4,115.92 ; U4.3 104.7,112.3 105.4,113 105.4,115.92
/XIN: length 11.3
  Bottom w0.2: U3.20 94.6,93.9 94.8,93.7 94.85,93.7 95.18,93.36 97.8,93.36 98.4,92.77 98.4,90.97 98.1,90.67 C4.1
  Bottom w0.4: Y1.1 95.75,90.17 97.1,90.17 C4.1
/XOUT: length 2
  Bottom w0.2: R4.1 94,94.66 94.2,94.87 U3.21
/~{USB_BOOT}: length 49
  Bottom w0.6: R1.2 112.95,113.32 112.4,113.87 112.4,122 114,123.6 139.93,123.6 SW1.1 SW1.1
Net-(C3-Pad1): length 3.2
  Bottom w0.4: 93.5,91.92 92.52,92.89 C3.1 R4.2
Net-(U3-USB_DM): length 2.2
  Bottom w0.2: 92.88,104.98 92.9,104.98 92.6,104.69 U3.46
Net-(U3-USB_DP): length 2.4
  Bottom w0.2: 93.92,104.98 93,104.07 U3.47
Net-(USB1-CC1): length 2
  Bottom w0.2: 104.25,117.27 104.25,115.26
Net-(USB1-CC2): length 2.8
  Bottom w0.2: R5.1 107.2,115.41 107.25,115.46 107.25,117.38

## Copper pours and planes (outline as drawn; the poured copper is in the pictures)
+1V1 on Bottom: 92.02,101.31 95.62,101.31 95.62,97.91 93.02,97.91 93.02,97.11 93.82,97.11 93.82,97.31 96.22,97.31 96.22,101.71 93.42,101.71 93.42,101.91 93.02,101.91 93.02,102.31 92.02,102.31
+3V3 on Bottom: 91.21,96.74 96.81,96.74 96.81,102.34 91.21,102.34
GND on Top, Bottom: 0,125 0,0 211,0 211,125

## Text on the board
B.Silkscreen: BOOTSEL | 🌱 | A | R3 | X | L3 | Y | B | R1 | R2 | L1 | L2 | → | ↓ | ← | ↑ | Designed by Granola Arcade / Granola Summit PCB V2.0 / Licensed under Creative Commons / Attribution-NonCommercial-ShareAlike 4.0 / International License / Visit our website: granola.games / If you're reading this, go outside!
Top: 🍃
F.Silkscreen: 🍃 | A | L3 | X | R3 | Y | B | R1 | R2 | L1 | L2 | ← | ↓ | → | ↑ | https://granola.games/pages/manual
